# Altium PCB Terra.PcbDoc (part 5 of 7) (continued)
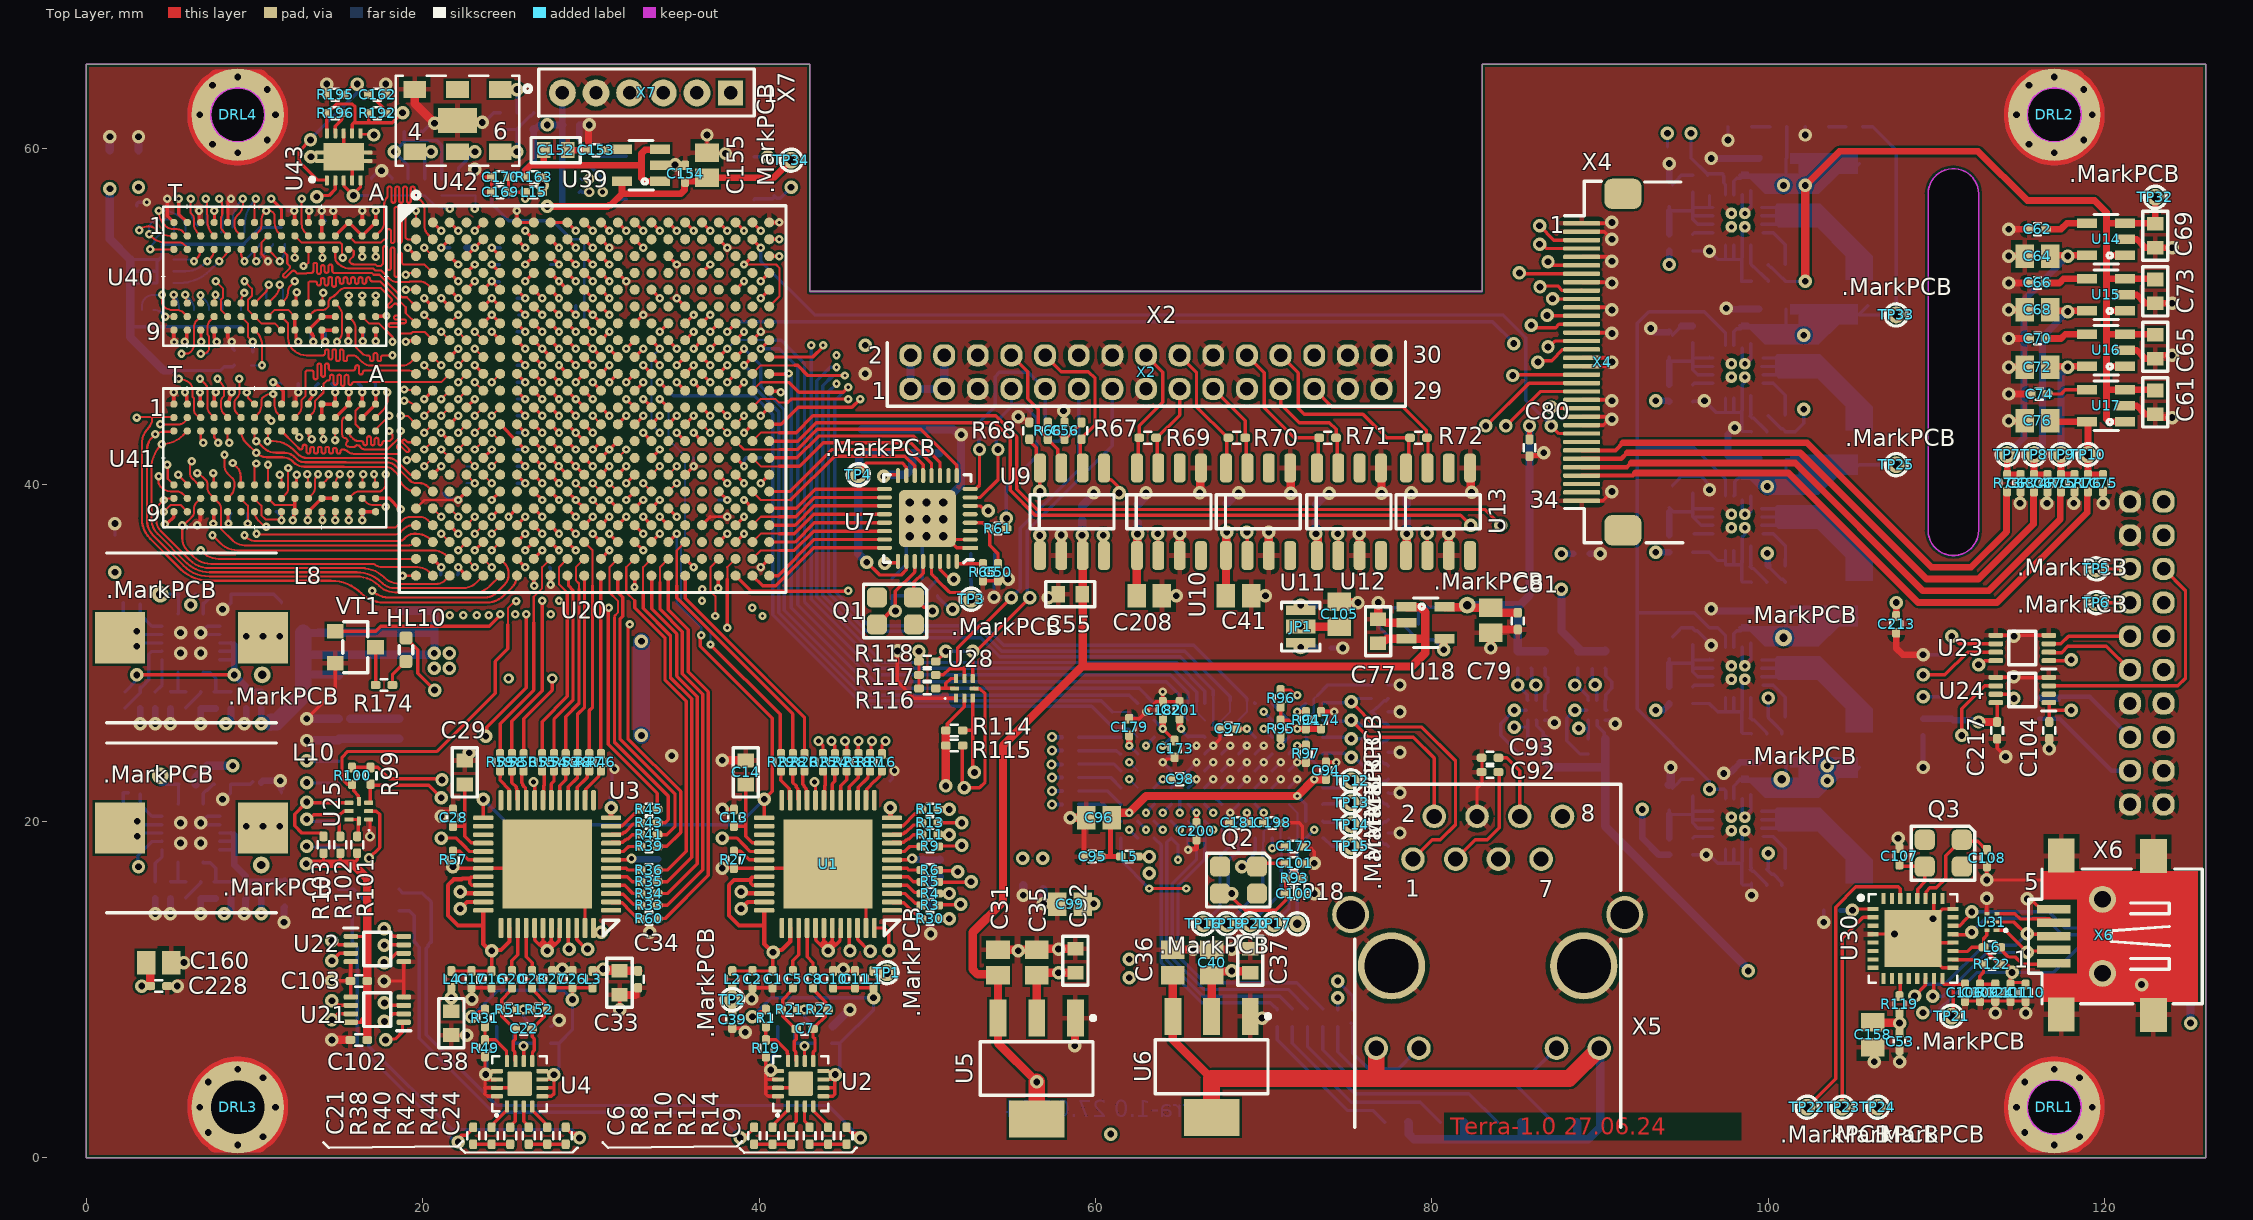
[diagram p0: Top Layer view]
## Nets (pads, with @x,y where several pads share a name; then routed paths per layer and width w, separated by ;. In a path a pad name is that pad's centre, name@x,y a point inside that pad or via, vN(x,y) a via of type N, cw(c..) or ccw(c..) an arc to the next point about the centre after c; other vN are vias at no path point) (continued)
  Top Layer w0.12: U41.J8@10.8,39.2 11.2,38.8 12.4,38.8 ; U41.J2@10.8,44 11.07,43.73 11,43.73 v1(11,43.8) ; U40.J8@10.8,50 11.2,50.4 12,50.4 U40.G8@12.4,50 ; v1(10.8,53.3) 10.8,53.33 10.4,53.73 10.4,54.4 U40.J2@10.8,54.8 ; U41.B3@16.4,43.2 16,43.6 16,44.4 U41.B1@16.4,44.8
  Top Layer w0.125: 37.1,38.1 v1(38.1,38.1)
  Top Layer w0.13: U20.V1@19.6,38.6 20.1,39.1 v1(22.1,39.1) U20.U4@22.6,39.6
  Top Layer w0.2: v1(4.665,37.66) 4.818,37.718 5.186,38.086 5.186,38.386 U41.T9@5.2,38.4 ; C228.2@4.8,10.2 v2(5.4,10.2) ; v1(4.8,57) 4.8,56 U40.T1@5.2,55.6 ; C160.2@5.05,11.6 v2(5.8,11.6) ; U41.T1@5.2,44.8 v1(5.2,45.5) ; U40.T9@5.2,49.2 5.202,49.197 5.202,48.579 v1(5.221,48.495) ; v1(6.6,37.6) 6.6,37.7 6.78,37.88 6.78,38.38 U41.P9@6.8,38.4 ; v1(6.7,56.3) 6.7,55.7 U40.P1@6.8,55.6 ; v1(6.755,45.488) 6.778,45.466 6.778,44.823 U41.P1@6.8,44.8 ; U40.P9@6.8,49.2 6.82,49.18 6.82,48.52 v1(6.84,48.5) ; U41.M9@8.4,38.4 8.425,38.375 8.425,37.797 v1(8.45,37.7) ; U41.M1@8.4,44.8 8.409,44.809 8.611,45.396 8.654,45.498 v1(8.655,45.5) ; U40.M9@8.4,49.2 8.4,48.756 8.645,48.511 v1(8.645,48.5) ; U40.M1@8.4,55.6 8.425,55.625 8.425,56.825 v1(8.6,57) ; v1(12.272,37.9) 12.272,37.981 12.332,38.041 12.332,38.332 U41.G9@12.4,38.4 U41.G8@12.4,39.2 ; v1(12.355,56.3) 12.377,56.278 12.377,55.623 U40.G1@12.4,55.6 ; U41.G1@12.4,44.8 12.468,44.868 12.468,45.287 12.6,45.419 v1(12.6,45.5) ; U40.G8@12.4,50 U40.G9@12.4,49.2 12.468,49.132 12.468,48.713 12.6,48.581 v1(12.6,48.5) ; v2(13.1,26.1) 14.8,27.8 VT1.2@14.8,29.4 ; v1(13.157,37.9) 13.179,37.921 13.179,38.379 U41.F9@13.2,38.4 U41.E8@14,39.2 U41.D8@14.8,39.2 ; v2@13.435,59.64 13.435,59.54 13.725,59.25 U43.0@13.9,59.25 ; v1(13.5,48.5) 13.5,48.855 13.4,48.955 13.423,48.977 U40.F9@13.2,49.2 U40.E8@14,50 U40.D8@14.8,50 ; U41.E2@14,44 U41.E1@14,44.8 ; U40.E2@14,54.8 v1(14,56.3) ; U41.E1@14.065,44.865 U41.E1@14,44.8 ; v2(14.6,10.507) C103.2@15.725,10.507 ; v1(14.67,56.3) 14.67,56.219 14.779,56.11 14.779,55.621 U40.D1@14.8,55.6 ; v1(14.8,45.5) U41.D1@14.8,44.8 U41.E1@14,44.8 ; U43.8@15.3,60.925 U43.8@15.3,60.9 15.3,59.525 15.8,59.025 U43.4@15.8,58.125 ; U21.5@15.725,9.55 C103.2@15.725,10.507 ; U22.4@15.725,11.65 C103.2@15.725,10.507 ; v1(16.4,37.9) U41.B9@16.4,38.3 ; U41.B9@16.4,38.4 U41.A9@17.2,38.4 ; U41.B1@16.4,44.8 v1(16.4,45.5) ; v1(16.4,53.553) U40.B3@16.4,54 ; U40.B1@16.4,55.6 v1(16.4,56.3) ; U40.B9@16.413,49.187 16.42,49.18 16.42,48.563 v1(16.44,48.542) ; U25.1@16.785,20.1 16.86,20.025 v6(16.86,19.1) ; U41.A9@17.15,38.35 U41.A9@17.2,38.3 ; v1(17.2,48.542) U40.A9@17.2,49.2 ; v2(17.7,10.5) 18.875,10.5 ; C162.2@17.8,63.225 v2(17.8,63.825) ; U21.4@18.8,9.5 18.875,9.575 18.875,10.5 ; U22.5@18.875,11.65 18.875,10.5 ; v1(19,48.5) 19.071,48.571 19.571,48.571 U20.H1@19.6,48.6 ; U20.V1@19.571,38.571 U20.V1@19.6,38.6 ; v1(20.1,45.1) U20.L2@20.6,45.6 ; U20.AA2@20.6,35.6 v3(21.1,35.1) ; U20.A2@20.6,55.6 v1(21.1,55.1) ; v2(20.7,61.5) v2@20.75,61.5 ; v2@21.1,20.6 21.7,20.6 C28.2@21.8,20.7 ; v1(21.1,43.1) U20.P3@21.6,42.6 ; v1(21.1,54.1) U20.B3@21.6,54.6 ; U20.D3@21.6,52.6 v1(22.1,52.1) ; U20.C3@21.6,53.6 v1(22.1,53.1) ; U20.A3@21.6,55.6 v1(22.1,55.1) ; C38.2@21.7,7.289 21.709,7.28 v2(22.62,7.28) ; v2(21.794,17.29) 21.794,17.245 R57.2@21.8,17.239 ; R57.2@21.9,17.2 U3.31@23.6,17.2 27.15,17.2 U3.0@27.4,17.45 29.65,15.2 U3.47@29.65,13.65 ; v1(22.1,39.1) U20.U4@22.6,39.6 ; C29.2@22.5,23.611 22.5,23.809 v2(22.764,24.073) ; U20.E4@22.6,51.6 v1(23.1,52.1) ; U20.D4@22.6,52.6 v1(23.1,53.1) ; v2(22.923,9.409) 22.911,9.42 22.911,10.089 C17.2@22.9,10.1 C16.2@24.1,10.1 ; v3(23.1,36.1) U20.Y5@23.6,36.6 ; v3(23.1,47.1) U20.K5@23.6,46.6 ; v1(23.1,55.1) U20.A5@23.6,55.6 ; v2(23.1,58.75) 23.167,58.75 23.627,58.29 24.09,58.29 C170.2@24.1,58.3 ; U20.G5@23.6,49.6 v1(24.1,50.1) U20.G6@24.6,49.6 ; U20.F5@23.6,50.6 v1(24.1,51.1) U20.F6@24.6,50.6 ; U20.E5@23.6,51.6 v1(24.1,52.1) U20.E6@24.6,51.6 ; 23.695,4.146 23.7,4.146 ; 23.696,3.804 23.854,3.646 U4.16@24.404,3.646 ; 23.7,3.8 23.7,4.146 ; R49.2@23.7,6 23.7,5.146 23.7,4.948 23.7,4.9 23.7,4.646 23.7,4.146 ; v1(24.1,54.1) U20.C6@24.6,53.6 ; C169.2@24.1,57.55 C170.2@24.1,58.45 ; U4.14@24.404,4.646 23.748,4.646 v2(23.748,4.948) 23.748,5.146 23.942,5.146 24.025,5.063 24.092,5.063 24.175,5.146 U4.13@24.404,5.146 ; U20.N6@24.6,43.6 U20.P7@25.6,42.6 v3(26.1,42.1) ; U20.T7@25.6,40.6 v1(26.1,40.1) ; U20.M7@25.6,44.6 v3(26.1,44.1) ; U20.K7@25.6,46.6 v3(26.1,46.1) ; U20.H7@25.6,48.6 v1(26.1,48.1) ; U20.G7@25.6,49.6 v1(26.1,49.1) ; U20.E7@25.6,51.6 v3(26.1,51.1) ; v1(25.6,56.3) U20.A7@25.6,55.6 U20.A8@26.6,55.6 ; U4.0@25.75,4.396 25.5,4.146 23.7,4.146 ; v1(26.1,52.1) U20.D8@26.6,52.6 ; v1(26.1,55.1) U20.B8@26.6,54.6 ; U20.W8@26.6,37.6 v3(27.1,37.1) ; U20.U8@26.6,39.6 v3(27.1,39.1) ; U20.R8@26.6,41.6 v3(27.1,41.1) ; U20.N8@26.6,43.6 v3(27.1,43.1) ; U20.L8@26.6,45.6 v3(27.1,45.1) ; U20.J8@26.6,47.6 v3(27.1,47.1) ; U20.G8@26.6,49.6 v1(27.1,49.1) ; U20.F8@26.6,50.6 v3(27.1,50.1) ; v1(27.599,34.064) U20.AB9@27.6,34.6 ; U20.U9@27.6,39.6 v3(28.1,39.1) ; U20.T9@27.6,40.6 v3(28.1,40.1) ; U20.P9@27.6,42.6 v3(28.1,42.1) ; U20.N9@27.6,43.6 v3(28.1,43.1) ; U20.M9@27.6,44.6 v1(28.1,44.1) ; U20.L9@27.6,45.6 v1(28.1,45.1) ; U20.K9@27.6,46.6 v1(28.1,46.1) ; U20.H9@27.6,48.6 v3(28.1,48.1) ; U20.G9@27.6,49.6 v3(28.1,49.1) ; U20.E9@27.6,51.6 v3(28.1,51.1) ; U20.D9@27.6,52.6 27.862,52.337 v3(28.1,52.1) U20.E10@28.6,51.6 ; U20.C9@27.6,53.6 v1(28.1,53.1) ; U20.A9@27.6,55.6 U20.A10@28.6,55.6 v3(29.1,55.1) ; C27.2@27.7,11.1 27.75,11.15 28.25,11.15 v2(28.3,11.2) ; v2@28.3,11.1 C26.2@28.9,11.1 ; U20.U10@28.6,39.6 v3(29.1,39.1) ; U20.R10@28.6,41.6 U20.T11@29.6,40.6 ; U20.N10@28.6,43.6 U20.P11@29.6,42.6 ; U20.M10@28.6,44.6 v1(29.1,44.1) ; U20.L10@28.6,45.6 U20.M11@29.6,44.6 ; U20.J10@28.6,47.6 v3(29.1,47.1) ; U20.G10@28.6,49.6 v3(29.1,49.1) ; U20.F10@28.6,50.6 v3(29.1,50.1) ; U20.C10@28.6,53.6 v1(29.1,53.1) ; U20.B10@28.6,54.6 v3(29.1,54.1) ; v3@29.05,39.15 U20.V11@29.6,38.6 ; v3(29.1,46.1) U20.K11@29.6,46.6 ; U20.H11@29.6,48.6 U20.J12@30.6,47.6 ; U20.F11@29.6,50.6 v3(30.1,50.1) U20.G12@30.6,49.6 ; U20.E11@29.6,51.6 v3(30.1,51.1) ; U20.D11@29.6,52.6 v3(30.1,52.1) ; U20.C11@29.6,53.6 v3(30.1,53.1) ; U20.A11@29.6,55.6 v3(30.1,55.1) ; U20.AA12@30.6,35.6 v1(31.1,36.1) ; U20.R12@30.6,41.6 U20.P13@31.6,42.6 ; U20.D12@30.6,52.6 v3(31.1,52.1) ; U20.C12@30.6,53.6 v3(31.1,53.1) ; U20.B12@30.6,54.6 v3(31.1,54.1) ; U20.A12@30.6,55.6 v3(31.1,55.1) ; U20.D13@31.6,52.6 v3(32.1,52.1) ; v2(31.7,8.8) C33.2@31.7,9.689 ; v1(32.1,39.1) U20.U14@32.6,39.6 ; U20.G14@32.6,49.6 v3(33.1,50.1) ; 32.8,9.6 C34.2@32.8,10.1 ; v1(33.1,47.1) U20.K15@33.6,46.6 ; U20.Y15@33.55,36.55 v1(34.1,37.1) ; U20.N16@34.6,43.6 v7(35.1,44.1) ; U20.C16@34.6,53.6 v1(35.1,53.1) ; v1(35.1,51.1) U20.F17@35.6,50.6 ; U20.T17@35.6,40.6 v1(36.1,41.1) ; U20.W18@36.6,37.6 37.1,38.1 ; U20.J18@36.6,47.6 v1(37.1,47.1) ; v2(36.9,60.8) C155.2@36.9,59.75 36.95,59.7 v2(38,59.7) ; v1(37.558,33.842) 37.579,33.864 37.579,34.579 U20.AB19@37.6,34.6 ; U20.M19@37.6,44.6 v1(38.1,44.1) ; U20.B19@37.6,54.6 v1(38.1,54.1) ; v2(37.8,17.2) 37.85,17.25 38.45,17.25 38.5,17.2 38.5,17.239 R27.2@38.638,17.378 ; v2@37.8,21 38.1,20.7 C13.2@38.5,20.7 ; C39.2@38.4,7.7 38.9,7.7 39.149,7.451 v2(39.178,7.451) ; R27.2@38.6,17.2 U1.31@40.3,17.2 43.85,17.2 U1.0@44.1,17.45 46.35,15.2 U1.47@46.35,13.65 ; U20.R20@38.6,41.6 v1(39.1,41.1) ; U20.E20@38.6,51.6 v1(39.1,52.1) ; v1(39.1,39.1) U20.V21@39.6,38.6 ; v2(39.566,9.434) 39.583,9.452 39.583,10.083 C2.2@39.6,10.1 C1.2@40.8,10.1 ; U20.H21@39.6,48.6 v1(40.1,49.1) ; v1(40.1,35.1) U20.AA22@40.6,35.6 ; 40.395,4.146 40.4,4.146 ; 40.396,3.804 40.554,3.646 U2.16@41.104,3.646 ; 40.4,3.8 40.4,4.146 ; R19.2@40.4,6 40.4,5.209 40.4,5.146 v2@40.448,5.098 ; 40.448,4.646 U2.14@41.104,4.646 ; U20.L22@40.6,45.6 40.644,45.556 41.244,45.556 v1(41.287,45.512) ; U20.A22@40.6,55.6 40.625,55.575 41.175,55.575 v1(41.2,55.6) ; v2@40.642,5.146 40.725,5.063 40.792,5.063 40.875,5.146 U2.13@41.104,5.146 ; v2(40.687,5.209) 40.661,5.209 40.4,4.948 40.4,4.9 40.4,4.646 40.4,4.146 ; U2.0@42.45,4.396 42.2,4.146 40.4,4.146 ; C10.2@44.4,11.1 44.5,11.2 v2(45,11.2) ; v2@45,11.1 C11.2@45.6,11.1 ; v2(48.227,30.127) 48.2,30.1 48.2,28.316 49.201,27.315 U28.1@51.7,27.315 ; U7.0@50,38 U7.0@51.249,36.751 ; U7.1@52.548,36.252 51.748,36.252 U7.0@51.249,36.751 ; U7.2@52.548,36.751 U7.0@51.249,36.751 ; R65.2@53.3,34.3 C50.2@54.2,34.3 54.209,34.309 54.709,34.309 v2(54.8,34.4) ; v2(55.4,44.04) 55.562,44.04 55.714,43.889 55.922,43.889 56.06,43.75 R68.2@56.06,43.711 ; C35.2@56.5,12.35 C35.2@56.561,12.411 ; v2(57.2,33.3) 57.171,33.3 57.4,33.529 57.609,33.32 C55.2@57.789,33.5 ; v2(58.1,44.4) 58.18,44.32 58.18,43.731 C56.2@58.16,43.711 ; C96.2@59.3,20.05 C96.2@59.45,20.2 ; C179.2@62,26.1 62.6,26.1 v1(63,26.5) 63.6,27.1 C182.2@64,27.1 ; v1(64,23.5) 64.067,23.5 64.267,23.7 C173.2@64.739,23.7 ; v1(64,27.7) C182.2@64,27.1 ; C201.2@65,27.1 C182.2@64,27.1 ; C98.2@65.6,22.4 C98.2@65.5,22.5 v1(66,22.5) ; U10.5@66.27,41 U10.5@66.285,40.985 ; v1(67,24.5) 67.4,24.9 C97.2@67.4,25.5 ; C181.2@68,19.9 v1(68,20.5) ; C198.2@71,19.9 72.1,19.9 72.3,19.7 C172.2@72.3,18.5 ; U11.5@71.57,41.1 U11.5@71.585,41.085 ; v1(72,23.5) R97.2@72.5,23.5 ; C100.2@72.3,15.7 v2(73,15.7) ; C101.2@72.3,17.5 v2(73,17.5) ; C172.2@72.4,18.5 72.7,18.5 73,18.2 v2@73,17.6 ; C94.2@73.8,23.5 v1(74.3,23.5) ; C77.2@76.8,32.011 77.076,32.011 77.287,31.8 ; U12.5@76.97,41 U12.5@76.985,40.985 ; X5.4@82.68,20.29 82.68,21.98 82.975,22.275 82.975,23.75 C93.2@82.95,23.775 ; X4.22@88.8,45.05 90.65,45.05 v2(90.7,45) v2@90.8,44.9 ; X4.34@88.9,39.05 90.15,39.05 v2(90.7,39.6) ; X4.25@88.9,43.55 90.188,43.55 v2@90.538,43.9 ; X4.24@88.9,44.05 90.388,44.05 v2@90.538,43.9 ; X4.18@88.9,47.05 v2@90.483,47.05 ; X4.17@88.9,47.55 v2@90.483,47.55 ; X4.14@88.9,49.05 v2@90.55,49.05 ; X4.11@88.9,50.55 90.55,50.55 v2@90.6,50.5 ; X4.8@88.9,52.05 v2@90.55,52.05 ; X4.5@88.9,53.55 90.45,53.55 v2(90.7,53.3) ; X4.2@88.9,55.05 90.25,55.05 v2(90.7,54.6) ; X4.1@88.9,55.55 90.65,55.55 v2(90.7,55.6) ; v2(90.7,43.9) v2@90.538,43.9 ; v2@96.2,44.991 v2(96.2,45) ; C158.2@106.2,6.55 106.3,6.45 v2(106.3,5.7) ; U30.4@106.257,13.3 v2(107.5,13.3) 108.3,13.3 U30.33@108.591,13.009 ; v2(107.71,18.99) 107.791,18.909 C107.2@107.791,18.209 ; C53.2@107.791,6.409 107.795,6.405 C53.2@107.795,6.4 ; v2(107.8,5.7) 107.795,5.705 107.8,5.709 C53.2@107.8,6.4 ; U30.33@108.598,13.034 U30.33@108.856,12.776 ; U30.33@109.841,14.509 U30.26@109.841,15.384 ; U30.33@110.091,14.509 110.091,14.527 110.342,14.779 110.967,14.779 U30.24@110.973,14.785 ; U30.17@110.96,11.264 U30.17@110.966,11.259 ; U30.17@110.973,11.284 110.967,11.289 110.342,11.289 U30.33@108.856,12.776 ; U30.20@110.973,12.784 110.965,12.776 U30.33@108.856,12.776 ; C106.2@111.691,9.309 C109.2@112.591,9.309 R124.2@113.491,9.309 ; U31.4@112.991,14.509 v2(112.991,15.409) ; C108.2@112.991,17.209 v2(112.991,16.509) 118.289,16.509 ; v2(113.5,8.6) 113.495,8.605 113.495,9.305 R124.2@113.491,9.309 ; U24.5@113.525,28.55 v2@114.5,28.55 ; U23.5@113.525,31.05 v2@114.495,31.05 ; C217.2@113.6,24.9 113.6,24.34 v2(114.102,23.838) ; v2(114.6,28.6) 114.675,28.525 116.65,28.525 U24.4@116.675,28.55 U24.4@116.625,28.6 ; v2(114.6,31) 114.545,31 v2@114.495,31.05 ; v2(114.96,38.9) 114.98,38.92 114.98,39.58 C63.2@115,39.6 ; C110.2@115.277,9.309 C111.2@114.391,9.309 R124.2@113.491,9.309 ; v2(115.3,8.6) C110.2@115.3,9.3 ; v2(115.391,15.379) 115.508,15.262 115.508,15.214 115.761,15.214 116.216,14.759 X6.5@116.966,14.759 ; v2(116.56,38.9) 116.58,38.92 116.58,39.58 C67.2@116.6,39.6 ; U23.4@116.675,31.05 v2@114.495,31.05 ; v2(116.7,24.3) C104.2@116.7,24.9 ; v2(118.16,38.9) 118.18,38.92 118.18,39.58 C71.2@118.2,39.6 ; X6.0@119.866,10.959 122.891,13.985 X6.0@122.891,17.934 ; v2(119.9,38.9) C75.2@119.9,39.6
  Top Layer w0.25: C79.2@83.5,31.2 C79.2@83.7,31.4
  Top Layer w0.3: C95.2@59.3,17.9 59.3,18.8 C96.2@59.3,20.05 ; v1(65.5,18.3) 65.538,18.338 65.938,18.338 66,18.4 C200.2@66,18.9 C200.2@65.91,18.81 ; C174.2@73.4,26.5 v1(74.2,26.5) ; C80.2@85.8,41.6 85.8,41.65 85.89,41.74 86.355,41.74 86.515,41.9 v2(86.65,41.9)
  Top Layer w0.4: C152.2@28.611,59.9 C153.2@29.8,59.9 29.81,59.9 29.85,59.94 29.85,61.25 v2@29.9,61.3 ; U39.2@34.213,59.037 v2@34.988,59.037 ; v2@93,49.12 v2(93,49.3) ; U38.0@97.8,46.4 U38.0@97.9,46.4 ; U38.0@97.8,47.2 U38.0@97.9,47.2 ; C213.2@107.6,31.2 107.6,30.3 108,29.9 v2(109.2,29.9) ; v2(114.3,43.8) C76.2@115.162,43.8 ; v2(114.3,45.4) C74.2@115.462,45.4 ; v2(114.3,47) C72.2@115.162,47 ; v2(114.3,48.7) C70.2@115.5,48.7 C70.2@115.562,48.7 ; v2(114.3,50.4) C68.2@115.162,50.4 ; v2(114.3,52) C66.2@115.5,52 C66.2@115.562,52 ; v2(114.3,53.6) C64.2@115.162,53.6 ; v2(114.3,55.2) C62.2@115.462,55.2 ; U17.2@121.211,44.7 121.9,44.7 122.4,44.2 C61.2@123,44.2 ; U16.2@121.211,48 121.9,48 122.4,47.5 C65.2@123,47.5 ; U15.2@121.211,51.3 121.9,51.3 122.4,50.8 C73.2@123,50.8 ; U14.2@121.211,54.6 121.9,54.6 122.4,54.1 C69.2@123,54.1 ; C61.2@123.138,44.2 123.338,44 v2(124,44) ; C65.2@123.138,47.5 123.338,47.7 v2(124,47.7) ; C73.2@123.138,50.8 v2(124,50.8) ; C69.2@123.138,54.1 v2(124,54.1)
  Top Layer w0.5: v2(14.6,7) C102.2@15.7,7 ; U42.3@19.525,63.533 19.525,62.675 v2(20.7,61.5) ; v2@20.75,61.5 22.065,61.5 22.164,61.599 23.491,61.599 v2(23.545,61.545) ; C33.2@31.7,9.689 31.719,9.67 32.63,9.67 ; v2(37.8,23.63) C14.2@39.181,23.63 ; C31.2@54.2,12.35 C35.2@56.5,12.35 ; C35.2@56.561,12.411 C32.2@58.8,12.411 ; v2(56.9,15.1) C99.2@57.65,15.1 ; U9.2@57.965,35.7 U9.2@57.965,35.8 v2@57.965,37.1 ; v2@58.39,20.3 58.49,20.2 C96.2@59.45,20.2 ; v2@58.49,20.2 v2(58.5,20.2) ; v2(58.756,6.656) 58.778,6.678 58.778,8.278 U5.1@58.8,8.3 ; C208.2@64,33.3 64.1,33.4 v2(64.8,33.4) ; C36.2@64.6,12.35 64.625,12.375 65.795,12.375 v2(65.82,12.4) ; U10.3@65,35.8 v2(65,37.1) ; v2@65.725,12.375 69.164,12.375 C37.2@69.2,12.411 ; v2(66.2,39.52) 66.235,39.555 66.235,40.935 U10.5@66.285,40.985 ; U6.1@69.2,8.4 69.3,8.3 v2(69.9,8.3) ; C41.2@69.3,33.4 v2(70.1,33.4) ; U11.3@70.3,35.9 v2(70.3,37.18) ; U11.5@71.585,41.085 71.6,41.07 v2(71.6,39.5) ; C105.2@74.5,33.05 74.525,33.025 75.575,33.025 v2(75.6,33) ; v2(75.68,37.1) 75.69,37.09 75.69,35.81 U12.3@75.7,35.8 ; C77.2@76.8,32.011 v2(76.8,33) ; U12.5@76.985,40.985 77,40.97 v2(77,39.5) ; 77.287,31.8 U18.2@78.489,31.8 ; U13.3@81,35.8 v2(81,37.1) ; U13.5@82.285,40.985 82.313,40.957 82.313,39.599 v2(82.356,39.556) ; v2(83.5,30.3) C79.2@83.5,31.2 ; C79.2@83.7,31.4 C81.2@85.1,31.4
  Int1 (Sign) w0.2: v2@14.507,10.507 v2(14.6,10.507) ; v2@21.646,17.29 v2(21.794,17.29) ; v2@37.8,17 v2(37.8,17.2)
  Bottom Layer w0.2: C219.2@1.705,36.995 v2@1.705,37.695 ; R175.1@3,56.6 3,56.7 3.1,56.8 v1(3.6,56.8) ; U35.0@6.5,19.6 U35.0@6.7,19.8 ; U33.0@6.5,30.9 U33.0@6.7,31.1 ; C222.2@6.7,45.1 6.727,45.128 6.727,45.461 v1(6.755,45.488) ; U35.3@7.925,19.8 U35.0@6.7,19.8 ; U35.2@7.925,20.3 7.2,20.3 U35.0@6.7,19.8 ; U33.3@7.925,31.1 U33.0@6.7,31.1 ; U33.2@7.925,31.6 7.2,31.6 U33.0@6.7,31.1 ; v2(8.1,21.3) 8.206,21.3 8.568,21.662 8.568,22.168 R145.1@8.6,22.2 9.75,22.2 C135.2@9.9,22.35 ; v2(8.1,32.6) 8.206,32.6 8.6,32.994 R135.1@8.6,33.4 ; v1(8.45,37.7) 8.507,37.84 8.507,38.207 R165.1@8.6,38.3 ; R135.1@8.6,33.5 11.15,33.5 11.6,33.05 C123.2@11.6,33 ; v1(8.645,48.5) 8.702,48.443 8.702,48.098 R164.1@8.8,48 ; v2(11.52,22.4) 11.5,22.4 11.5,22.1 11.5,21.861 11.6,21.761 C136.2@11.6,21.7 ; C193.2@12,56.3 v1(12.355,56.3) ; v1(12.272,37.9) 12.286,37.914 12.286,38.386 C221.2@12.3,38.4 ; v1(12.6,45.5) C164.2@12.6,46 ; v2(13.1,26.1) v2@13.105,26.105 ; C227.2@13.1,38.4 13.129,38.371 13.129,37.929 v1(13.157,37.9) ; C192.2@13.2,49.1 13.239,49.1 13.378,48.962 13.378,48.704 13.5,48.581 v1(13.5,48.5) ; v1(14,56.3) 14.057,56.243 14.057,55.838 14.196,55.7 C225.2@14.2,55.7 ; C229.2@14.6,46 14.604,46 C229.2@14.702,45.902 ; v1(14.8,45.5) C229.2@14.8,46 ; X1.19@14.995,26.105 X1.19@15,26.11 ; C226.2@16.175,46 16.204,46 16.343,45.862 16.343,45.557 v1(16.4,45.5) ; v1(16.4,37.9) 16.457,37.957 16.457,38.262 16.596,38.4 C223.2@16.6,38.4 ; v1(16.44,48.542) 16.47,48.572 16.47,48.97 C230.2@16.5,49 ; C166.2@16.95,58.2 16.95,58.239 17.271,58.56 17.435,58.56 v2(17.55,58.675) 17.665,58.56 17.854,58.56 18.175,58.239 R198.2@18.175,58.2 ; C161.1@19.9,61 C161.1@19.925,61 ; C161.1@19.9,61.025 C161.1@19.925,61 ; v2@20.7,61.7 20,61 C161.1@19.925,61 ; C190.2@21.075,34.65 21.075,35.04 cw(c21.16,35.04) v3(21.1,35.1) ; v1(21.1,54.1) C184.2@21.6,54.1 ; C220.2@21.2,39.5 21.55,39.15 22.05,39.15 v1(22.1,39.1) ; v2@23.1,58.8 v2@23.126,58.8 ; v2(23.545,61.545) 23.645,61.545 24.225,62.125 C168.1@24.625,62.125 ; v2(23.748,4.948) 23.8,5 23.8,6.2 24.222,6.622 24.222,6.662 24.361,6.8 R50.2@24.4,6.8 C25.2@24.4,7.8 ; v1(24.1,52.1) ccw(c24.16,52.16) 24.16,52.075 C206.2@24.55,52.075 ; v1(24.1,54.1) C183.2@24.6,54.1 ; C202.2@25.6,40.1 v1(26.1,40.1) ; C204.2@25.6,42.1 v3(26.1,42.1) ; C199.2@25.6,44.1 v3(26.1,44.1) ; C205.2@25.6,46.1 v3(26.1,46.1) ; C224.2@25.6,49.1 v1(26.1,49.1) ; C207.2@25.6,51.1 v3(26.1,51.1) ; C191.2@27.55,35.1 cw(c27.433,34.983) 27.599,34.983 v1(27.599,34.064) ; C30.2@27.6,7.8 27.661,7.8 28.031,8.17 v2(28.106,8.17) ; C185.2@27.6,53.1 v1(28.1,53.1) ; v3(29.1,50.1) C203.2@29.1,50.65 ; C177.2@31.2,22.4 31.25,22.45 31.25,22.95 v5(31.4,23.1) ; v1(36.1,41.1) C214.2@36.1,41.6 ; C218.2@37.6,38.1 v1(38.1,38.1) ; v1(39.1,41.1) 39.1,41.5 39.2,41.6 C216.2@40.1,41.6 ; v2(40.687,5.209) 40.782,5.304 40.782,6.04 40.922,6.18 40.922,6.662 41.061,6.8 R20.2@41.1,6.8 C12.2@41.1,7.8 ; C15.2@44.3,7.8 C15.2@44.361,7.8 ; C178.2@47.8,22.4 47.923,22.523 47.923,22.872 v5(48.052,23.001) ; C49.2@47.9,34.4 47.9,34.45 48.74,35.29 48.74,36.74 U7.0@49.7,37.7 ; U7.0@48.948,37.752 49.873,38.677 U7.0@49.877,38.677 ; C48.2@49.7,34.4 U7.0@49.7,37.7 ; U7.0@49.86,38 49.86,38.66 U7.0@49.877,38.677 ; U7.0@49.95,37.95 U7.0@49.7,37.7 ; U7.0@50,38.8 U7.0@49.877,38.677 ; v2@51.826,43.011 51.989,43.011 52,43 52.008,42.992 v2(52.008,42.98) ; v2(53.963,33.32) 53.963,34.252 C45.1@54.011,34.3 C44.1@54.011,35.9 ; U8.4@57.5,42.6 57.8,42.6 58.1,42.9 v2(58.1,44.4) ; U19.D6@64.5,22 U19.E5@65.5,23 v1(66,23.5) ; U19.D5@64.5,23 v1(64,23.5) U19.D4@64.5,24 ; v1(65.5,18.3) U19.E9@65.5,19 ; U19.E6@65.5,22 v1(66,22.5) ; U19.E4@65.5,24 v1(66,24.5) ; U19.F6@66.5,22 v1(67,22.5) ; U19.F5@66.5,23 v1(67,23.5) ; U19.F4@66.5,24 v1(67,24.5) ; U19.G9@67.5,19 67.55,19.05 67.55,19.95 U19.G8@67.5,20 U19.H7@68.5,21 ; U19.G6@67.5,22 v1(68,22.5) ; U19.G5@67.5,23 v1(68,23.5) ; U19.G4@67.5,24 v1(68,24.5) ; U19.H6@68.5,22 v1(69,22.5) ; U19.H5@68.5,23 v1(69,23.5) ; U19.H4@68.5,24 v1(69,24.5) ; U19.J6@69.5,22 v1(70,22.5) ; U19.J5@69.5,23 v1(70,23.5) U19.K4@70.5,24 ; U19.J4@69.5,24 v1(70,24.5) ; U19.K6@70.5,22 v1(71,22.5) ; U19.K5@70.5,23 v1(71,23.5) ; U19.L6@71.5,22 v1(72,22.5) ; U19.L5@71.5,23 v1(72,23.5) ; C91.2@77.4,19.3 v2(78.1,19.3) ; C90.2@77.4,21.7 77.447,21.653 78.053,21.653 v2(78.1,21.7) ; C89.2@77.4,24.1 v2(78.1,24.1) ; C88.2@77.4,26.5 v2(78.1,26.5) ; R98.1@77.4,28.1 v2(78.1,28.1) ; R78.2@78.2,30.8 77.599,30.8 76.8,31.599 v2(76.8,33) 76.917,33 77.217,32.7 C78.2@78.2,32.7 ; U26.1@86.7,26.015 86.708,26.008 87.128,26.008 v2(87.28,25.855) ; U27.1@90.3,26.015 90.308,26.008 90.692,26.008 v2(90.9,25.8) ; C125.2@94.085,22.165 C125.2@94.1,22.15 ; C125.2@94.3,21.95 94.7,22.35 94.7,22.383 94.817,22.5 C126.2@95.5,22.5 ; C137.2@94.3,30.95 94.7,31.35 94.7,31.383 94.817,31.5 C138.2@95.5,31.5 95.5,31.461 95.638,31.322 95.778,31.322 96.6,30.5 v2(96.6,30.47) ; C113.2@94.3,39.95 94.7,40.35 94.7,40.383 94.817,40.5 C114.2@95.5,40.5 96,40.5 96.5,40 v2(96.5,39.7) ; C147.2@94.3,48.9 94.7,49.3 94.7,49.333 94.817,49.45 ; C142.2@94.3,57.85 94.7,58.25 94.7,58.283 94.817,58.4 C143.2@95.5,58.4 ; C127.2@95.5,18 96.5,18 97,17.5 97.45,17.5 ; C139.2@95.5,27 96.5,27 97,26.5 97.45,26.5 ; C115.2@95.5,36 96.5,36 97,35.5 97.45,35.5 ; C149.2@95.5,44.95 95.525,44.975 96.175,44.975 v2(96.2,45) 96.9,44.3 97.45,44.3 ; C144.2@95.5,53.9 v2(96.5,53.9) 97,53.4 97.45,53.4 ; C127.2@95.595,17.995 v2@96.295,17.995 ; v2(96.601,59.406) v2@96.603,59.403 ; 97.297,32.503 97.3,32.5 ; R156.1@97.297,59.403 R156.1@97.3,59.4 ; U34.8@97.45,18.339 97.45,17.5 ; U36.8@97.45,27.339 97.45,26.5 ; U32.8@97.45,36.089 97.45,35.5 ; U38.8@97.45,45.139 97.45,44.45 97.45,44.3 ; U37.8@97.45,54.239 97.45,53.4 ; v2(97.6,60.5) HL8.2@97.6,61.3 ; 97.95,17.616 U34.7@97.95,18.339 ; 97.95,26.616 U36.7@97.95,27.339 ; 97.95,35.366 U32.7@97.95,36.089 ; 97.95,44.416 U38.7@97.95,45.139 ; 97.95,53.516 U37.7@97.95,54.239 ; v2(98,43.4) 98.096,43.304 98.339,43.304 98.41,43.234 ; 98.4,52.1 R157.1@99,52.1 98.474,52.119 98.41,52.184 98.41,53.4 ; 98.41,35.5 98.41,35.315 ; 98.41,44.45 98.41,44.365 ; U34.15@98.45,21.339 98.45,20.524 98.6,20.374 U34.0@98.6,20.289 ; U36.15@98.45,30.339 98.45,29.524 98.6,29.374 U36.0@98.6,29.289 ; U32.15@98.45,39.089 98.45,38.274 98.6,38.124 U32.0@98.6,38.039 ; U38.15@98.45,48.139 98.45,47.324 98.6,47.174 U38.0@98.6,47.089 ; U37.15@98.45,57.239 98.45,56.424 98.6,56.274 U37.0@98.6,56.189 ; U34.0@98.6,19.439 98.6,19.304 98.45,19.154 U34.6@98.45,18.339 98.45,17.605 98.41,17.565 98.41,17.5 ; U34.0@98.6,20.239 U34.0@98.6,20.289 ; U36.0@98.6,28.439 98.6,28.304 98.45,28.154 98.45,26.605 98.41,26.565 98.41,26.5 ; U36.0@98.6,29.239 U36.0@98.6,29.289 ; U32.0@98.6,37.189 98.6,37.054 98.498,36.952 98.45,36.904 98.45,35.355 98.41,35.315 ; U32.0@98.6,37.989 U32.0@98.6,38.039 ; U38.0@98.6,46.239 98.6,46.104 98.45,45.954 98.45,44.405 98.41,44.365 ; U38.0@98.6,47.039 U38.0@98.6,47.089 ; U37.0@98.6,55.339 98.6,55.204 98.45,55.054 U37.6@98.45,54.239 98.45,53.505 98.41,53.465 98.41,53.4 ; U37.0@98.6,56.139 U37.0@98.6,56.189 ; U34.16@98.95,21.589 98.95,20.639 U34.0@98.6,20.289 ; U36.16@98.95,30.589 98.95,29.639 U36.0@98.6,29.289 ; U32.16@98.95,39.339 98.95,38.389 U32.0@98.6,38.039 ; U38.16@98.95,48.389 98.95,47.439 U38.0@98.6,47.089 ; U37.16@98.95,57.489 U37.16@98.95,57.239 98.95,56.539 U37.0@98.6,56.189 ; v2@98.995,15.605 R141.1@98.995,16.2 ; R141.1@98.995,16.305 R141.1@98.995,16.2 ; R141.1@99,16.2 R141.1@98.995,16.2 ; R150.1@99,25.2 98.474,25.219 98.41,25.284 98.41,26.5 ; R129.1@99,34.2 98.474,34.219 98.41,34.284 98.41,35.315 ; R162.1@99,43.15 98.474,43.169 98.41,43.234 ; C117.2@99.45,41.5 C117.2@99.55,41.6 ; C146.2@99.45,59.4 C146.2@99.55,59.5 ; v2(102.2,60.8) HL9.2@102.2,61.3 ; v2@103.295,14.005 C215.2@103.295,14.705 ; v2(107.8,5.7) C212.2@107.8,6.4 ; v2(109.2,29.9) 109.207,29.907 U29.4@110.9,29.905 U29.4@110.9,29.905 ; R123.2@122.191,9.609 v2(122.191,10.289) ; 97.45,17.5 98.41,17.5 ; 97.45,26.5 98.41,26.5 ; 97.45,35.5 97.45,35.25 98.41,35.25 98.41,35.315 ; 97.45,44.3 98.41,44.3 98.41,44.365 ; 97.45,53.4 98.41,53.4 ; 98.41,17.5 98.41,16.284 98.474,16.219 R141.1@98.995,16.2 ; 98.41,43.234 98.41,44.365
  Bottom Layer w0.3: C175.2@74,30.3 v2(74.7,30.3) ; C209.2@74,32.8 75.265,32.8 75.465,33 v2(75.6,33) ; v2(109.2,23.2) C210.2@109.2,25.1
  Bottom Layer w0.4: v2(3.2,25.8) R134.2@3.2,26.7 ; v2(4.1,14.5) C132.1@4.1,15.4 ; v2(4.1,25.8) C119.1@4.1,26.7 ; v2(5,14.5) C133.1@5,15.4 ; v2(5,25.8) C120.1@5,26.7 ; v2(6.8,14.5) C134.1@6.8,15.4 R146.1@7.7,15.4 ; v2(6.8,25.8) C121.1@6.8,26.7 R136.1@7.7,26.7 ; v2(9.38,14.502) 9.38,14.61 9.46,14.69 9.46,15.36 C130.2@9.5,15.4 ; v2(9.4,25.8) 9.4,25.908 9.5,26.008 C118.2@9.5,26.7 ; C135.2@10.4,22.3 10.5,22.4 v2@11.5,22.4 ; v2@11.5,22.1 11.6,22 11.6,22.4 v2(11.52,22.4) ; v2(11.75,14) 11.75,14.85 C131.2@11.8,14.9 ; C167.1@29.3,60.625 C159.1@29.3,61.4 v2(29.9,61.4) ; C19.2@33.025,16.7 33.5,16.7 ; v2(33.5,13.4) 33.5,16.7 ; C18.2@34.025,16.7 33.5,16.7 ; C4.2@49.725,16.7 50.2,16.7 ; v2(50.2,13.3) 50.2,16.7 ; C3.2@50.725,16.7 50.2,16.7 ; C211.2@89.4,35.9 v2(90,35.9) ; v2(93,49.3) 93,49.273 93.197,49.077 94.077,49.077 C147.2@94.1,49.1 ; C142.2@94.1,58.1 v2@94.1,58.9 ; 94.817,49.45 C148.2@95.5,49.45 ; v2(96.601,32.62) 96.718,32.503 97.297,32.503 ; v2@96.603,59.403 R156.1@97.297,59.403 ; 97.3,32.5 C140.2@98.3,32.5 C141.2@99.45,32.5 ; R156.1@97.3,59.4 C145.2@98.3,59.4 C146.2@99.45,59.4 ; v2(97.341,22.841) 97.417,22.917 97.767,22.917 98.3,23.45 C128.2@98.3,23.5 C129.2@99.45,23.5 ; v2@97.5,50.43 97.51,50.44 98.29,50.44 C150.2@98.3,50.45 C151.2@99.45,50.45 ; v2(98,43.4) 97.6,43 97.6,41.7 97.8,41.5 C116.2@98.3,41.5 C117.2@99.45,41.5
  Bottom Layer w0.5: C165.2@1.4,59.9 v2(1.4,60.7) ; C163.2@3.1,59.9 v2(3.1,60.7) ; v2@13.105,24.805 X1.17@14.995,24.805 ; v2@13.105,26.105 X1.19@14.995,26.105 ; X1.17@15,24.895 X1.18@18.605,24.895 ; X1.19@15.695,26.095 X1.20@18.605,26.095 ; C15.2@44.361,7.8 v2@45.135,8.574 ; C47.1@46.1,43.311 51.526,43.311 v2@51.826,43.011 ; U7.0@50,38 52,40 v2@52,43 ; v2(55.7,15.6) C176.2@55.7,16.2 ; v2(56.9,15.1) C171.2@56.9,15.95 ; C54.2@59.21,38.74 59.843,39.373 59.843,39.463 v2(59.9,39.52) ; C57.2@62.51,38.84 62.943,39.273 62.943,39.463 v2(63,39.52) ; C59.2@67.8,38.9 68.42,39.52 v2(68.5,39.52) ; C58.2@73.11,38.84 73.712,39.442 73.825,39.442 v2(73.882,39.5) ; C60.2@78.51,38.84 78.51,39.187 78.762,39.439 v2(78.762,39.52) ; C125.2@94.085,22.165 94.2,22.28 v2(94.2,23.2)
  other v2: 45.4,8.8 55.4,12.3 57.8,12.4 68.1,12.4 103.3,14 109.791,14.209 99,15.6 96.3,18 5.6,18.7 6.8,18.7 5.6,19.9 6.8,19.9 21.1,20.3 37.8,20.7 34.8,23.9 13.1,24.8 5.6,30 6.8,30 5.6,31.2 6.8,31.2 57.954,37.011 1.7,37.7 46.3,46.6 90.7,47.3 90.7,49 90.7,50.4 97.5,50.5 90.7,52 35,59.025 94.1,59.1 13.35,59.5 14.3,63.825
  other v3: 29.1,41.1 31.1,42.1 29.1,43.1 29.1,45.1 30.1,48.1
  other v4: 9,0.75 117,0.75 10.5,1.25 118.5,1.25 7.25,1.5 115.25,1.5 6.75,3 11.25,3 114.75,3 119.25,3 7.25,4.5 115.25,4.5 10.5,4.75 118.5,4.75 9,5.25 117,5.25 9,59.75 117,59.75 7.5,60.25 115.5,60.25 10.75,60.5 118.75,60.5 6.75,62 11.25,62 114.75,62 119.25,62 10.75,63.5 118.75,63.5 7.5,63.75 115.5,63.75 9,64.25 117,64.25
LASER_LVDS_N: U29.7 X3.16 | length 7.7
  Bottom Layer w0.254: 117.282,27.218 116.247,27.218 U29.7@116.1,27.365 116.135,27.4 119.1,27.4 X3.16@121.5,25
LASER_LVDS_P: U29.8 X3.18 | length 6.7
  Bottom Layer w0.254: U29.8@116.1,26.095 117.305,26.095 120.4,23 X3.18@121.5,23
LED1: U20.V7 VT1.1 | length 16.9
  Top Layer w0.2: VT1.1@14.8,31.3 17.2,31.3 17.5,31.6 23.947,31.6 24.6,32.253 v1(24.6,32.3) ; v3(25.1,38.1) U20.V7@25.6,38.6
  Int1 (Sign) w0.125: v1(24.6,32.3) 24.6,33.564 cw(c25.411,33.564) 24.837,34.137 24.888,34.188 ccw(c24.376,34.7) 25.1,34.7 v3(25.1,38.1)
LS_DISABLE: U23.2 X3.12 | length 5.6
  Top Layer w0.2: U23.2@116.675,30.05 116.7,30.025 117.435,30.025 117.81,30.4 120.1,30.4 X3.12@121.5,29
LS_EN_POW: U24.3 X3.5 | length 15.3
  Top Layer w0.2: U24.3@116.675,28.05 124.35,28.05 124.8,28.5 124.8,33.7 X3.5@123.5,35
LS_SHDN: U23.3 X3.10 | length 5
  Top Layer w0.2: U23.3@116.675,30.55 117.394,30.55 117.844,31 X3.10@121.5,31
MA1+: R70.1 U11.8 X2.18 | length 8
  Top Layer w0.2: X2.18@65,47.7 66,46.7 66,44.65 67.85,42.8 R70.1@67.9,42.8 67.8,42.7 67.8,41.04 U11.8@67.76,41
MA1-: R70.2 U11.7 X2.19 | length 5.5
  Top Layer w0.2: X2.19@67,45.7 68.9,43.8 R70.2@68.9,42.8 68.965,42.735 68.965,41.065 U11.7@69.03,41
MA2+: R72.1 U13.8 X2.24 | length 12.6
  Top Layer w0.2: X2.24@71,47.7 72.05,46.65 72.05,44.55 72.4,44.2 75.9,44.2 77.3,42.8 R72.1@78.7,42.8 ; U13.8@78.63,41.07 R72.1@78.63,42.73